# Altium PCB MB1605.PcbDoc (part 7 of 11) (continued)
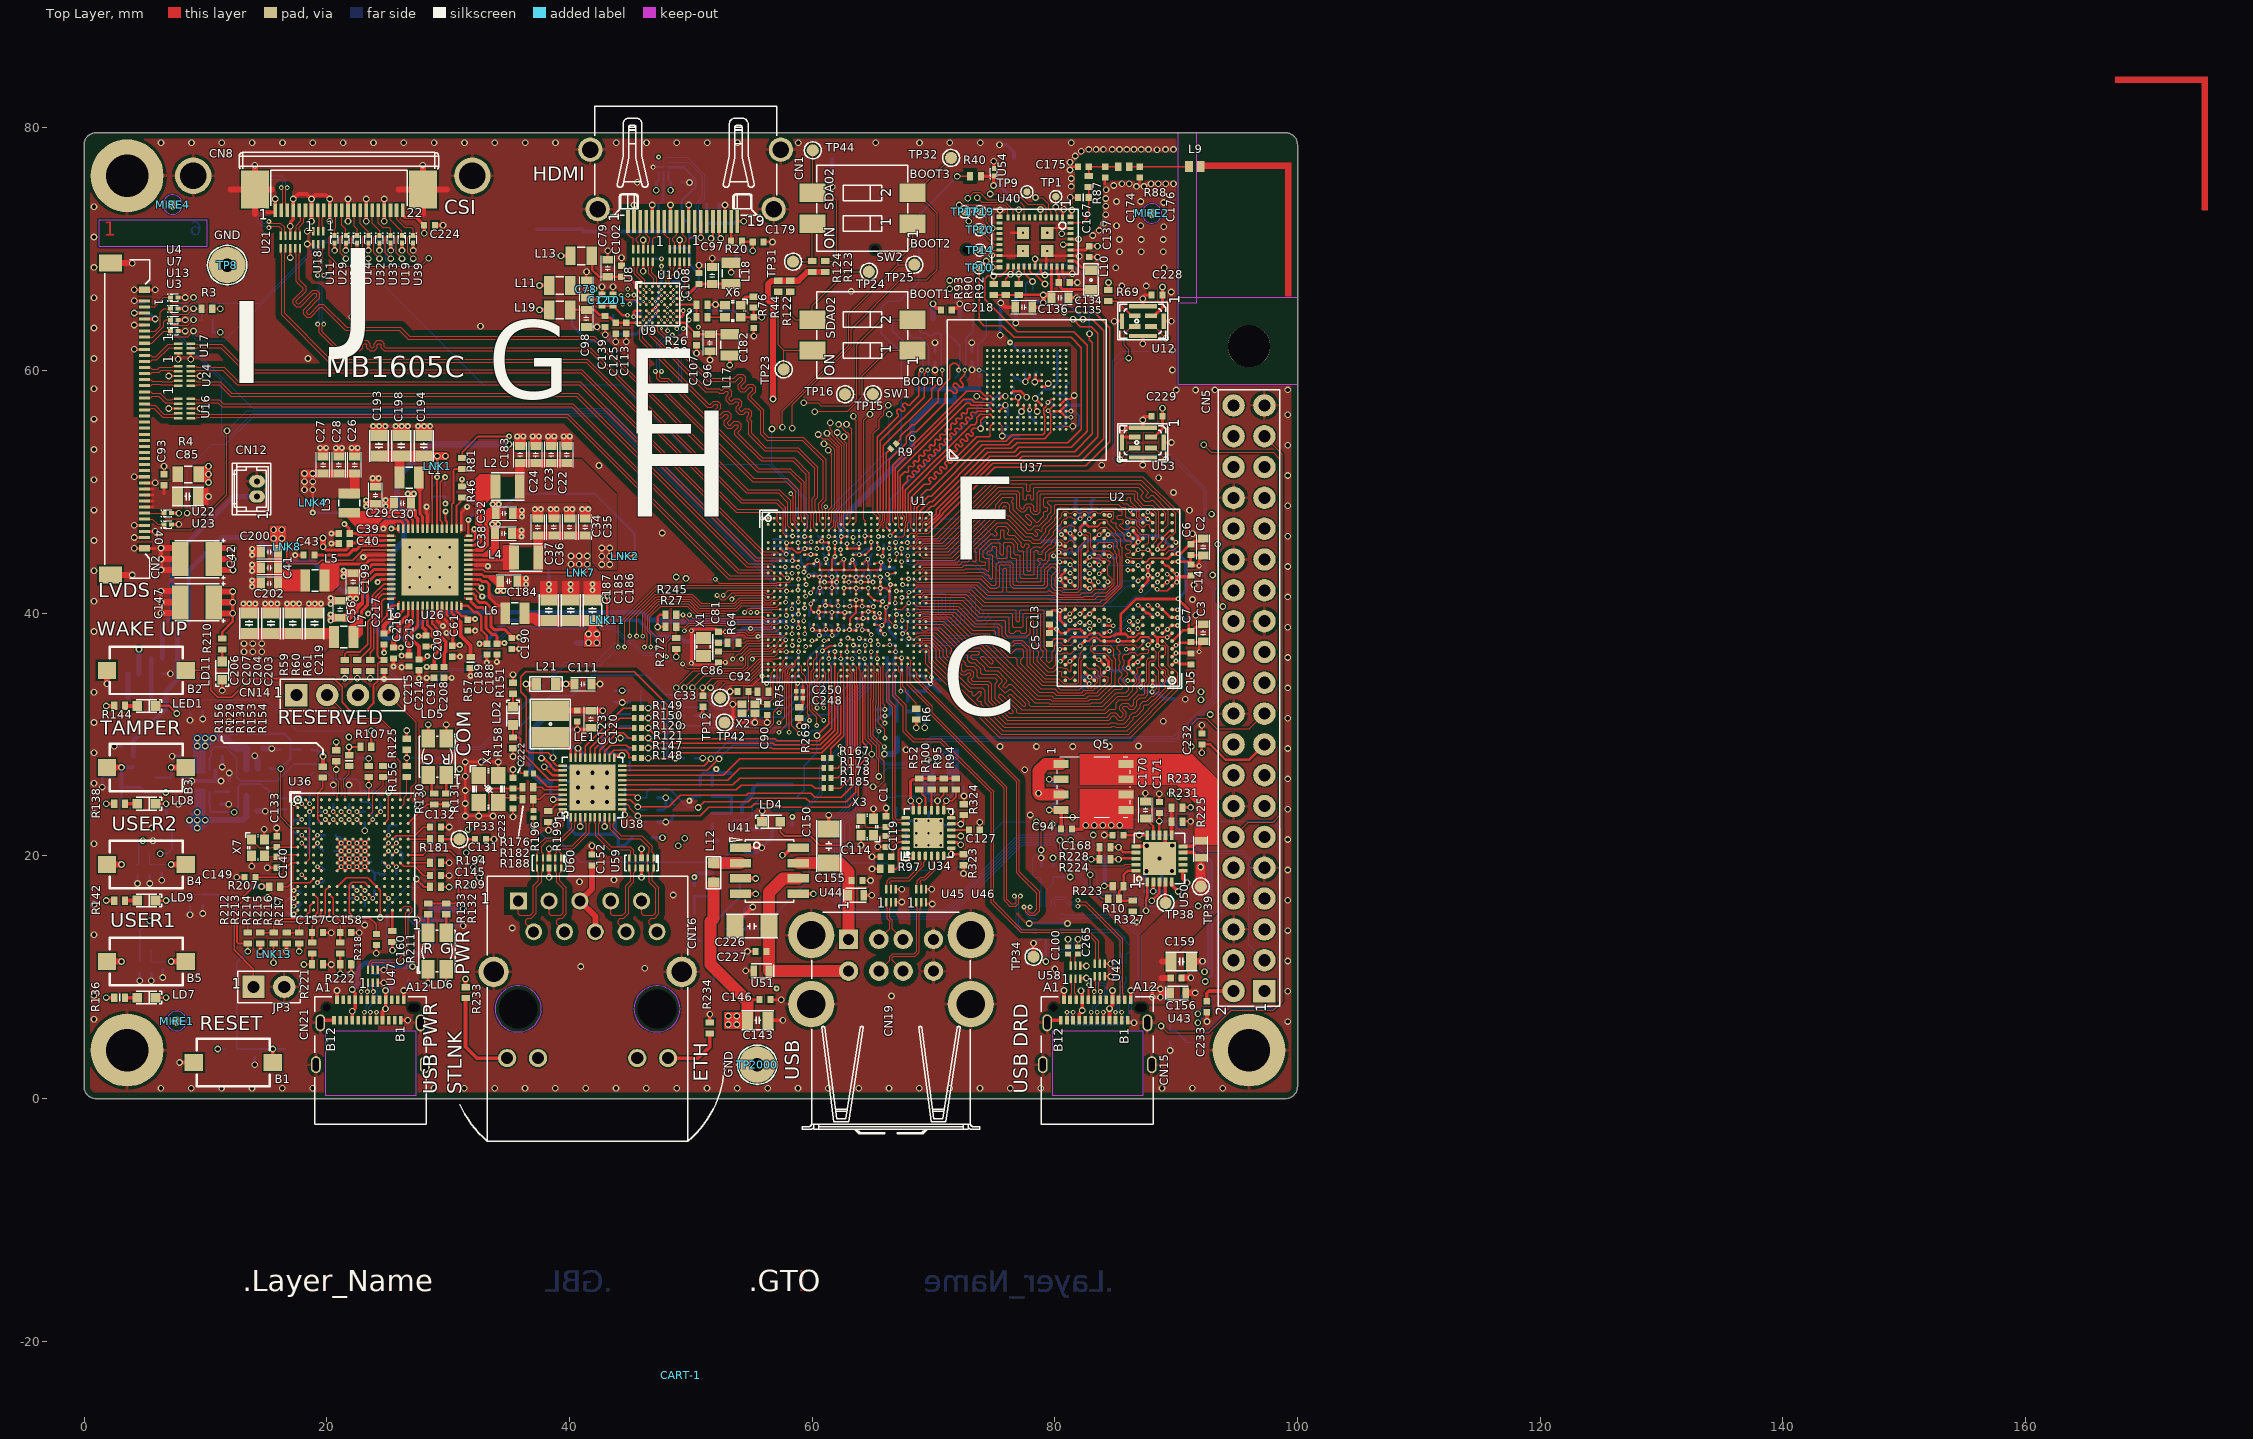
[diagram p0: Top Layer view]
## Nets (pads, with @x,y where several pads share a name; then routed paths per layer and width w, separated by ;. In a path a pad name is that pad's centre, name@x,y a point inside that pad or via, vN(x,y) a via of type N, cw(c..) or ccw(c..) an arc to the next point about the centre after c; other vN are vias at no path point) (continued)
  Top Layer w0.25: v1(4.135,45.35) CN2.43@5,45.35 5.865,45.35 ; v1(4.135,46.25) CN2.40@5,46.25 ; v1(4.135,47.25) CN2.38@5,47.25 ; v1(4.135,51.25) CN2.30@5,51.25 ; v1(4.135,61.75) CN2.9@5,61.75 ; v1(4.135,63.75) CN2.5@5,63.75 ; v1(4.135,65.75) CN2.1@5,65.75 ; v1(4.135,66.65) CN2.42@5,66.65 v1(5.865,66.65) ; CN2.39@5,46.75 v1(5.865,46.75) ; CN2.31@5,50.75 v1(5.865,50.75) ; U23.2@7.221,47.325 v1(7.819,47.325) ; U22.2@7.221,48.25 v1(7.819,48.25) ; U3.2@7.742,63.25 U3.2@7.754,63.25 v1(8.339,63.25) ; U13.2@7.742,64.175 v1(8.339,64.175) ; U7.2@7.742,65.1 v1(8.339,65.1) ; U4.2@7.742,66.025 v1(8.339,66.025) ; v1(20.65,69.903) U11.2@20.65,70.501 ; v1(21.575,69.903) U29.2@21.575,70.501 ; v1(22.5,69.903) U31.2@22.5,70.501 ; v4(23.008,44.625) 23.056,44.673 23.257,44.673 23.384,44.8 24.775,44.8 ; v1(23.425,69.903) U14.2@23.425,70.501 ; v4(24.187,42.563) 24.221,42.563 24.459,42.8 24.775,42.8 ; v1(24.35,69.903) U32.2@24.35,70.501 ; v1(25.275,69.903) U33.2@25.275,70.501 ; v1(26.2,69.903) U19.2@26.2,70.501 ; v1(27.125,69.903) U39.2@27.125,70.501 ; v4(28.225,48.775) 28.225,48.214 28.3,48.139 28.3,47.525 ; 32.225,44 32.83,44 ; v4@32.757,42.1 v4(32.772,42.1) ; v1(38.325,18.245) U60.8@38.325,19.012 ; U60.3@38.325,19.832 v1(38.325,20.599) ; C152.1@41.865,20.109 v1(41.865,20.85) ; CN1.2@45.326,72.3 v1(45.326,73.65) ; v1(45.945,18.245) U59.8@45.945,19.012 ; U59.3@45.945,19.832 v1(45.945,20.599) ; CN1.5@46.826,72.3 v1(46.826,73.65) ; CN1.8@48.326,72.3 v1(48.326,73.65) ; CN1.11@49.826,72.3 v1(49.826,73.65) ; CN1.17@52.826,72.3 v1(52.826,73.65) ; v2(52.85,35.95) C86.2@52.285,35.95 52.26,35.95 52.061,35.75 50.196,35.75 v2(50.05,35.897) v2(50.05,38.554) 50.196,38.7 52.06,38.7 C81.2@52.285,38.475 v2(52.85,38.475) ; v1(53.242,33.546) C92.2@53.859,33.546 ; X2.2@54.234,32.51 v1(53.467,32.51) 53.467,31.513 53.987,30.993 v1(55.284,30.993) X2.4@55.284,31.76 ; v1(56.293,30.993) C90.1@56.293,31.61 ; v1(68.584,30.569) R6.2@68.584,31.233 ; U54.2@74.975,76.65 v1(74.975,77.248) ; C135.1@81.128,66 81.13,66.003 v1(81.798,66.003) ; C134.1@81.23,67.262 v1(81.859,67.262) ; C137.1@82.84,69.35 v1(83.52,69.35) ; v1(84.896,64.07) U12.5@85.525,64.07 ; v1(85.538,55.295) U53.5@87.25,55.295 v1(87.25,55.924) ; U53.5@85.621,54.52 U53.2@86.575,54.52 ; v1(87.25,52.216) U53.5@87.25,52.845 ; v1(87.25,62.216) U12.5@87.25,62.845 ; U12.5@87.25,65.295 v1(87.25,65.924) ; 87.346,56.231 C229.2@87.975,56.231 ; 87.346,66.231 C228.2@87.975,66.231 ; U53.5@88.975,54.07 v1(89.604,54.07) ; U12.5@88.975,64.07 v1(89.604,64.07)
  Top Layer w0.3: v1(6.347,40.012) v1(6.347,40.912) v1(6.347,41.812) ; v1(6.347,43.574) v1(6.347,44.474) v1(6.347,45.374) ; v1(7.877,2.979) B1.2@9.049,2.979 ; C85.1@9.414,49.625 v1(10.264,49.625) ; v1(12.586,18.239) C149.1@13.231,18.239 ; v1(14.54,12.137) R213.2@14.54,12.782 ; 15.055,73.058 15.75,73.058 CN8.1@15.75,73.222 v1(15.75,74.139) ; v1(16.69,12.137) R215.2@16.69,12.782 ; v1(17,71.892) 17.045,71.937 17.045,72.272 17.25,72.477 CN8.4@17.25,73.222 v1(17.25,74.139) 17.655,74.544 18.345,74.544 v1(18.75,74.139) ; v4(17.395,44.79) C43.1@18.055,44.79 ; v1(18.75,72.305) CN8.7@18.75,73.222 v1(18.75,74.139) ; CN21.SH1@19.47,6.25 19.68,6.46 CN21.B12@20.6,6.46 ; v1(20.25,72.305) v1(20.25,74.139) 19.92,74.469 19.08,74.469 v1(18.75,74.139) ; v4(20.385,45.75) C40.1@20.995,45.75 ; v4(20.385,46.575) C39.1@20.995,46.575 ; CN21.A1@20.85,8.16 v1(20.85,8.913) ; v1(21.75,72.305) CN8.13@21.75,73.222 v1(21.75,74.139) ; v1(23.25,72.305) CN8.16@23.25,73.222 v1(23.25,74.139) ; v4@24.725,36.81 C217.2@24.725,37.42 ; v4(24.727,34.58) C219.1@24.727,35.185 ; v1(24.75,72.305) CN8.19@24.75,73.222 v1(24.75,74.139) ; v4(25.5,35.61) C216.1@25.5,36.215 ; CN21.B1@26.1,6.46 CN21.B1@26.1,6.46 26.669,6.458 v1(26.671,6.456) ; v4(26.165,35.55) C215.2@26.775,35.55 ; CN21.A12@26.35,8.16 v1(26.35,8.913) ; v4@27.6,34.69 C214.2@27.6,35.3 ; C213.1@28.175,37.27 v4(28.785,37.27) ; v4(28.24,34.68) C91.2@28.85,34.68 ; C208.2@29.675,34.68 v4(30.285,34.68) ; C209.1@30.35,36.42 v4(30.985,36.42) ; C61.1@31.625,38.57 v4(32.235,38.57) ; v4(31.85,34.84) R57.1@31.85,35.5 ; v4(33.2,35.93) C189.1@33.2,36.59 ; v4(34.025,35.99) C188.1@34.025,36.59 C188.1@34.025,36.65 ; C190.2@35.25,37.065 v4(35.86,37.065) ; C123.1@40.65,31.075 v1(40.65,30.4) 41.6,30.4 C120.1@41.775,30.575 ; v1(50.979,31.565) 51,31.586 C33.1@51,32.3 ; R234.1@51.575,6.275 v1(51.575,6.95) ; C226.1@53.645,14.225 53.645,14.415 54.195,14.965 54.275,14.965 v1(55.103,15.792) ; U41.1@54.104,20.683 55.841,20.683 v1(55.843,20.681) ; v1(54.525,10.535) U51.2@55.195,10.535 ; LD4.2@55.876,22.826 55.876,23.714 v1(55.887,23.725) ; C143.1@56.37,6.456 v1(57.59,6.456) ; C150.1@61.375,22.222 v1(61.375,23.367) ; U44.2@64.25,16.76 v1(64.92,16.76) ; C218.1@71.51,64.99 71.51,65.015 71.615,65.12 71.859,65.12 72.112,65.373 72.112,65.463 v1(72.16,65.511) ; v1(75.54,65.576) 75.886,65.231 C136.1@76.732,65.231 ; TP34.1@78.243,11.686 v1(78.243,12.811) ; CN15.SH1@79.37,6.25 79.58,6.46 CN15.B12@80.5,6.46 ; v2(80.41,44.23) v2@80.425,44.215 ; CN15.A1@80.75,8.16 v1(80.75,8.913) ; v2(81.271,46.589) 81.271,46.562 81.66,46.173 U2.W11@81.66,46.165 ; CN15.B1@86,6.46 86,6.298 86.475,6.298 v1(86.522,6.25) ; CN15.A12@86.25,8.16 v1(86.25,8.913) ; U50.16@86.688,20.798 87.538,20.798 v1(87.575,20.835) ; v1(88.625,19.785) 89.113,20.273 U50.12@89.113,21.723 ; v1(92.536,6.357) C233.1@92.536,7.133
  Top Layer w0.4: C224.1@28.925,71.975 v1@29.575,71.975
  Top Layer w0.5: v1(1.886,34.182) B2.1@1.886,35.3 ; CN2.44@2.63,43.15 v1(3.982,43.15) ; CN2.41@2.63,68.85 v1(3.982,68.85) ; v1@6.353,40.006 C147.2@7.936,40.006 ; v1@6.353,40.906 C147.2@7.936,40.906 ; v1@6.353,41.818 C147.2@7.936,41.818 ; v1@6.353,43.568 C42.2@7.936,43.568 ; v1@6.353,44.468 C42.2@7.936,44.468 ; v1@6.353,45.38 C42.2@7.936,45.38 ; 12.074,74.922 CN8.S1@14.08,74.922 ; v1@14.079,76.912 14.072,76.905 14.08,76.897 CN8.S1@14.08,74.922 ; 14.08,72.916 CN8.S1@14.08,74.922 ; 15.468,74.922 CN8.S1@14.08,74.922 ; 25.914,74.922 CN8.S2@27.92,74.922 ; 27.92,72.916 CN8.S2@27.92,74.922 ; v1(27.92,76.932) CN8.S2@27.92,74.922 ; 29.926,74.922 CN8.S2@27.92,74.922
  Top Layer w0.55: C156.1@90.437,9.965 v1(91.212,9.965) ; U43.2@90.763,8.715 v1(91.562,8.715) ; C159.1@91.262,11.315 v1(92.163,11.315)
  Bottom Layer w0.1: C8.2@83.458,45.395 83.458,45.443 C8.2@83.46,45.445
  Bottom Layer w0.15: v2(46.897,76.769) U20.C2@47.364,76.769 U20.B2@47.764,76.769 ; v3(59.931,45.892) 59.935,45.896 C205.1@59.935,46.38 ; C57.1@62.592,39.603 62.683,39.694 62.683,40.058 v3(62.7,40.075) 63.066,40.075 63.154,39.987 C60.1@63.154,39.672 ; C55.1@62.6,41.6 62.6,42.05 v3(62.625,42.075) ; v3(62.875,45.725) 62.875,46.219 62.95,46.294 C195.1@62.95,46.787 63.379,46.787 63.429,46.837 C239.1@63.85,46.837 ; 63.134,40.036 C59.1@63.714,40.036 64.111,40.036 64.198,39.949 v3(64.198,39.575) ; C52.1@63.162,41.607 63.162,41.944 63.293,42.075 v3(63.625,42.075) 63.844,41.856 C53.1@64.083,41.856 ; C67.1@63.4,45.5 63.586,45.686 63.807,45.686 v3@63.859,45.738 ; v3(63.85,45.725) 64.278,45.725 C69.1@64.305,45.752 ; v3@63.85,45.775 C239.1@63.85,46.787 ; C58.1@64.607,39.247 64.607,40.125 v3(64.625,40.143) ; v3(64.625,42.075) 64.706,41.994 C54.1@64.706,41.579 ; C82.1@65.352,41.053 65.433,40.972 v3(65.806,40.972)
  Bottom Layer w0.2: C163.1@2.183,25.673 v1(1.508,25.673) 1.508,26.443 1.691,26.627 U28.2@2.458,26.627 ; v1(2.481,29.032) C87.1@3.156,29.032 ; v1(4.406,17.725) C161.1@4.406,18.4 ; v1(4.592,9.713) C162.1@4.592,10.388 ; v1(5.413,17.725) R128.1@5.413,18.4 ; v1(5.532,9.713) R135.1@5.532,10.388 ; v1(5.588,22.302) Q3.2@6.263,22.302 ; v1(5.688,21.252) R137.1@6.363,21.252 ; v1(6.413,18) U25.2@6.413,18.675 ; C88.1@6.442,35.008 v1(7.117,35.008) ; v1(6.493,9.988) U27.2@6.493,10.663 ; R140.2@8.077,26.441 8.622,26.441 v1(8.886,26.177) ; v1(8.736,15.152) Q2.2@8.736,15.827 ; v1(8.736,31.186) Q1.2@8.736,31.861 ; v1(9.786,15.252) R141.1@9.786,15.927 ; v1(9.786,31.286) R143.1@9.786,31.961 ; v1(14.062,2.79) U15.2@14.062,3.465 ; v1(14.935,23.691) 15.774,23.691 15.926,23.844 R229.1@16.69,23.844 ; v1(15.463,28.847) 15.56,28.75 R226.1@16.115,28.75 ; C327.2@16.715,16.307 16.915,16.507 v3(17.29,16.507) ; v3(17.29,17.157) 17.665,17.157 C281.2@17.865,16.957 ; C324.2@17.29,21.975 17.416,21.849 17.744,21.849 17.886,21.707 v3(17.94,21.707) ; v3(19.24,17.807) 19.665,17.807 C299.2@19.815,17.957 ; C289.2@19.24,22.757 19.64,22.757 v3(19.89,23.007) ; C282.2@20.54,25.182 v1(20.54,25.857) ; C298.2@20.615,20.407 v3(21.19,20.407) ; C310.2@20.74,21.707 20.74,21.682 20.895,21.527 21.073,21.527 21.19,21.41 v3(21.19,21.057) ; C326.2@21.79,17.407 21.803,17.394 22.253,17.394 v3(22.49,17.157) ; C297.2@21.84,25.182 v1(21.84,25.857) ; v1(23.14,14.307) C325.2@23.14,14.982 ; v3(23.14,19.107) 23.442,18.805 23.738,18.805 23.945,18.599 ; v3(23.14,19.757) 23.365,19.532 C329.2@23.69,19.532 ; v1(23.14,22.082) C290.2@23.14,22.757 ; C164.2@23.71,10.287 24.375,10.287 v1(24.699,10.611) ; C333.2@23.945,18.057 23.945,18.599 ; C303.2@24.84,18.482 24.393,18.482 24.276,18.599 23.945,18.599 ; v3(25.09,20.407) 25.34,20.157 C328.2@25.34,19.757 ; v3(25.09,21.707) 25.09,22.415 25.207,22.532 C311.2@25.74,22.532 ; C309.1@39.945,24.12 40.37,24.12 v1(40.7,24.45) ; C306.1@40.2,25.05 40.825,25.05 ; C322.1@41.3,23.925 41.3,24.55 ; 41.3,26.725 C296.1@41.3,27.35 ; v1(41.865,20.85) C332.1@42.625,20.85 ; C323.1@42.5,23.925 42.5,24.55 ; 43.613,63.925 R25.2@43.613,64.579 ; 43.65,26.689 C295.1@43.65,27.5 ; C104.1@43.675,32.726 43.751,32.65 v1(44.345,32.65) R305.1@44.969,32.65 ; C317.1@43.75,24.05 43.75,24.675 ; 44.201,28.755 44.206,28.75 R113.1@44.97,28.75 ; v1(44.2,29.72) R292.1@44.97,29.72 ; 44.201,30.688 R293.1@44.97,30.688 ; 44.201,31.67 R304.1@44.97,31.67 ; C314.1@44.575,25 44.575,25.625 ; 44.97,27.016 R303.1@44.97,27.785 ; v2(45.292,64.435) 45.528,64.671 45.787,64.671 R17.1@45.942,64.826 ; v1@45.601,75.504 C180.1@46.252,75.504 ; R16.1@46.374,67.181 47.028,67.181 ; R18.1@46.875,70.103 46.875,70.687 ; C106.2@48.495,67.364 49.079,67.364 ; C80.2@48.595,65.92 49.272,65.92 v2(49.286,65.935) ; C181.1@49.243,75.504 v1@49.893,75.504 ; R23.2@49.887,67.475 49.887,68.058 ; C103.1@50.309,31.565 v1(50.979,31.565) ; C141.1@50.31,28.065 v1(50.979,28.065) ; v2(54.943,40.07) 54.967,40.094 54.967,40.353 55.085,40.47 55.765,40.47 55.926,40.309 C225.1@56.696,40.309 ; v2(55.55,38.085) 55.663,38.198 C234.1@56.064,38.198 56.461,38.198 ; C237.1@56.696,44.88 C236.1@57.345,44.88 ; C192.1@56.8,45.55 C201.1@57.375,45.55 57.825,45.1 57.825,44.912 v3(57.862,44.875) 57.862,44.894 57.881,44.914 57.974,44.914 58.163,45.103 58.163,45.282 C197.1@58.216,45.334 ; C236.1@57.35,44.875 v3(57.862,44.875) ; R250.2@57.744,48.02 57.744,48.67 ; 57.781,35.625 C235.1@58.275,35.625 ; 57.831,36.331 C244.1@58.325,36.331 ; R251.2@58.751,48.02 58.751,48.67 ; C240.1@59.05,44.7 59.05,44.225 59.344,43.931 59.534,43.931 C220.1@59.609,43.856 59.534,43.781 59.534,43.609 v3(59.325,43.4) ; C70.2@59.78,39.785 59.78,40.268 59.884,40.372 v3(59.884,40.766) 60.148,41.03 60.276,41.03 C44.2@60.351,41.105 ; C45.1@60.173,43.895 60.248,43.97 60.248,44.139 60.408,44.299 v3(60.408,44.353) 60.419,44.342 60.54,44.342 60.739,44.143 60.739,44.063 C51.1@60.814,43.988 ; C71.1@60.34,39.635 60.491,39.786 60.491,40.066 v3(60.525,40.1) ; C196.1@60.9,44.925 60.975,44.85 60.975,44.677 61.132,44.52 v3(61.132,44.466) ; C72.1@60.905,39.698 60.956,39.749 60.956,40.021 61.092,40.157 v3(61.092,40.638) ; C46.1@60.915,41.105 60.915,40.815 v3(61.092,40.638) ; v3@61.169,44.408 61.302,44.274 61.302,44.062 C49.1@61.377,43.987 ; C73.2@61.467,39.624 61.542,39.699 61.542,39.952 61.625,40.035 v3(61.625,40.089) ; C47.2@61.476,41.081 61.476,40.694 61.42,40.638 v3(61.092,40.638) ; v3(61.875,44.675) 61.875,44.054 C50.1@61.941,43.988 ; C74.1@62.03,39.683 62.03,39.955 62.15,40.075 v3(62.15,40.625) 62.038,40.737 C48.1@62.038,41.107 ; C63.1@62.506,44.005 62.581,44.08 62.581,44.36 62.622,44.401 v3(62.622,44.455) ; C62.2@63.106,43.628 63.106,44.19 v3(63.328,44.412) 63.366,44.374 63.421,44.374 63.6,44.195 63.6,44.059 C65.2@63.675,43.984 ; C68.1@64.239,43.997 64.314,44.072 64.314,44.284 64.437,44.408 64.548,44.408 v3(64.586,44.446) ; C64.1@64.8,43.996 64.725,44.071 64.725,44.307 v3(64.586,44.446) ; C66.1@64.915,44.871 64.84,44.796 64.84,44.663 64.623,44.446 v3(64.586,44.446) ; v3(65.46,46.325) 65.498,46.287 65.852,46.287 C238.1@65.913,46.226 ; v3(65.806,40.972) 65.844,41.01 65.844,41.178 C75.1@66.083,41.417 ; 66.934,23.294 R102.1@66.934,23.959 ; C116.1@67.757,21.305 67.757,21.921 ; C115.1@68.021,22.888 v2(68.587,22.888) v2@68.637,22.888 ; v2@69.6,22.985 R99.1@69.6,23.65 ; 70.936,22.538 C126.1@71.552,22.538 ; R98.1@72.477,25.712 72.499,25.69 72.499,24.97 v1(72.521,24.948) ; C89.1@72.65,57.5 73.315,57.5 ; C118.1@75.26,56.98 75.425,57.145 v1(75.925,57.145) 76.11,56.96 C148.1@76.11,56.305 ; C9.1@76.615,59.48 76.77,59.325 77.008,59.325 77.208,59.126 77.529,59.126 v1(77.575,59.08) C117.1@77.575,59.864 ; C130.1@77.027,55.505 77.027,56.407 v1(77.25,56.63) ; v1(77.887,14.436) U56.3@78.528,14.436 U56.19@79.468,14.436 U56.12@80.408,14.436 v1(81.049,14.436) ; v1(78.243,12.811) 78.528,13.096 U56.18@78.868,13.096 ; R106.1@78.868,19.165 v1(78.868,19.84) ; v2(81.325,56.655) 81.615,56.655 C128.1@82.015,56.255 82.015,55.592 81.858,55.435 81.505,55.435 v1(81.475,55.405) ; v1(84.599,10.073) U57.3@85.098,10.073 ; v1(84.599,11.123) U57.4@85.098,11.123 ; v1(89.5,3.975) R220.1@89.5,4.65 ; C99.2@90.437,7.329 90.437,8.365 90.787,8.715 v1(91.562,8.715)
  Bottom Layer w0.22: v1(11.922,31.068) C25.1@12.592,31.068 ; v2@82.824,44.755 82.813,44.765 83.29,45.242 83.29,45.3 83.385,45.395 C8.2@83.458,45.395 ; v2@82.858,44.62 82.892,44.654 v2@82.892,44.782 ; v2@84.508,45.528 84.51,45.53 C21.2@85.108,45.53
  Bottom Layer w0.25: v1(26.35,8.913) 26.735,9.298 U48.2@26.735,9.865 ; v1(47.945,22.8) 48.002,22.857 48.312,22.857 48.459,23.004 48.459,23.215 48.589,23.345 C109.1@48.614,23.345 ; v3(65.15,39.65) 65.274,39.526 C76.1@65.274,39.198 ; v3(65.55,40) 65.579,39.971 65.579,39.627 65.725,39.48 66.095,39.48 C77.2@66.1,39.475 66.35,39.225 66.35,38.57 66.82,38.1 66.82,37.985 C252.1@66.87,37.935 ; C246.1@67.925,35.525 C253.1@67.925,34.925 68.975,34.925 v2@69.666,34.234 ; v1(70.125,60.042) U5.8@70.125,60.762 ; U5.3@70.125,61.582 v1(70.125,62.302) ; U6.8@73.154,60.762 73.165,60.752 73.165,60.085 v1(73.175,60.075) ; U6.3@73.154,61.582 v1(73.154,62.302)
  Bottom Layer w0.3: v1(4.135,65.75) 4.23,65.75 4.33,65.65 C84.1@4.979,65.65 ; v1(7.259,28.217) C169.1@7.936,28.217 ; v1(7.791,24.257) C172.1@8.436,24.257 ; v1(8.886,26.177) U52.9@10.086,26.177 U52.9@10.685,26.177 ; U52.8@10.836,27.077 10.836,26.328 U52.9@10.685,26.177 ; v1(11.284,26.177) U52.9@10.685,26.177 ; R239.1@11.286,24.257 v1(11.931,24.257) ; v1(11.386,27.327) R242.2@11.386,28.217 ; C173.1@11.961,26.186 v1(11.961,26.831) ; v1@28.346,9.519 C110.1@28.346,10.463 ; U35.2@28.646,14.7 29.72,14.7 C129.1@30.17,14.25 v1(31.239,14.25) ; v4(38.304,42.401) TP30.1@38.304,43.502 ; R322.1@39.55,27.3 40.375,27.3 ; C280.2@39.825,30.4 v1(40.65,30.4) ; C302.1@39.85,26.125 40.675,26.125 ; 42.575,26.725 C288.1@42.575,27.55 ; R205.2@47.27,22.8 v1(47.945,22.8) ; v4(49.889,24.55) 50.289,24.95 C105.2@50.775,24.95 ; R15.2@51.33,73.025 51.33,73.69 ; C177.1@52.35,73.025 52.35,73.69 ; Q12.2@53.022,12.063 53.096,12.136 v1(54.67,12.136) ; R200.1@54.438,14.887 54.438,15.577 54.653,15.792 v1(55.103,15.792) ; Q11.2@54.5,20.313 55.474,20.313 v1(55.843,20.681) 56.725,21.564 R41.1@56.725,22.2 ; v1(61.65,75.15) 61.65,77.465 CN6.12@61.685,77.5 ; CN6.13@61.785,66.5 63.2,66.5 v1(63.225,66.525) ; R7.2@65.274,31.173 65.369,31.173 65.723,31.527 65.984,31.527 v2(66.003,31.546) 66.023,31.565 66.243,31.565 66.449,31.771 66.449,32.645 66.258,32.836 66.258,34.855 66.2,34.914 C260.1@66.2,35.714 C151.1@66.2,36.324 ; v3@65.694,44.181 65.694,44.168 65.888,43.974 65.888,43.723 C83.1@65.913,43.698 66.723,43.698 R1.1@66.75,43.725 ; C251.1@68.44,33.588 69.159,33.588 ; 69.3,33.641 69.3,33.546 69.258,33.588 69.159,33.588 ; v2@69.749,34.09 v2@69.749,34.178 ; R5.1@70.555,33.546 70.46,33.546 69.828,34.178 69.787,34.178 v2(69.768,34.197) v2@69.749,34.178 ; CN6.6@72.16,64.35 v1(72.16,65.511) ; v1(75.435,78.6) 76.035,78.6 76.635,78 CN6.11@76.635,77.5 ; v1(75.5,62.9) 75.51,62.91 CN6.9@75.51,64.175 75.51,64.35 75.525,64.365 75.525,65.561 v1(75.54,65.576) ; v1(76.775,63.925) 76.775,65.99 CN6.14@76.785,66 ; 77.63,12.039 C31.2@78.368,12.039 ; R42.1@78.984,45.96 80.086,45.96 80.286,45.759 v2@80.313,45.759 ; v2@81.24,46.526 81.278,46.564 C12.2@81.278,47.154 ; 81.279,46.373 81.298,46.354 81.298,46.157 81.603,45.852 C4.2@81.628,45.852 ; C12.2@81.309,47.185 C12.2@81.278,47.154 ; C10.1@81.784,49.42 81.708,49.343 81.708,48.72 82.024,48.404 C16.2@82.024,48.379 ; C16.2@81.983,48.42 C16.2@82.024,48.379 ; v2@82.083,47.795 82.083,48.32 C16.2@82.024,48.379 ; v2(82.085,47.79) 82.066,47.77 81.87,47.77 81.278,47.179 C12.2@81.278,47.154 ; C19.2@82.259,33.81 82.284,33.81 82.389,33.915 82.389,33.967 82.565,34.143 82.74,34.143 82.797,34.2 v2(82.83,34.2) ; v2(86.21,48.489) 86.213,48.492 87.031,48.492 C17.2@87.034,48.495 ; C334.2@87.413,17.997 87.413,18.598 v1(87.55,18.735) ; v2@88.058,33.995 88.092,34.03 88.667,34.03 88.733,34.095 88.758,34.095 89.008,34.345 C11.1@89.833,34.345 ; C335.2@88.813,17.997 88.813,18.735 ; v2@90.059,39.645 90.108,39.645 90.142,39.611 90.617,39.611 C20.2@90.758,39.47 ; 69.159,33.588 v2@69.749,34.178
  Bottom Layer w0.5: v1(14.062,28.25) 14.062,28.236 14.281,28.017 14.281,27.243 U49.2@14.331,27.193 ; C166.1@14.29,23.691 v1(14.935,23.691) ; C165.1@14.763,28.847 v1(15.463,28.847)
  Bottom Layer w0.6: v1(27.467,14.747) 27.514,14.7 U35.2@28.646,14.7
  other v1: 6.336,0.85 8.836,0.85 11.336,0.85 13.836,0.85 16.336,0.85 18.836,0.85 28.836,0.85 31.336,0.85 33.836,0.85 36.336,0.85 38.836,0.85 41.336,0.85 43.836,0.85 46.336,0.85 48.836,0.85 51.336,0.85 53.836,0.85 56.336,0.85 58.836,0.85 61.336,0.85 63.836,0.85 66.336,0.85 68.836,0.85 71.336,0.85 73.836,0.85 76.336,0.85 78.836,0.85 88.836,0.85 91.336,0.85 93.836,0.85 99.2,6.35 0.825,6.55 66.546,8.463 0.825,8.5 99.2,8.85 80.003,10.689 46.217,10.747 40.926,10.891 99.2,11.35 0.825,13.5 99.2,13.85 35.29,14.067 0.825,16 99.2,16.35 48.554,16.79 40.825,17.867 43.675,18.033 89.65,18.76 99.2,18.85 89.675,20.86 0.825,21 99.2,21.35 77.975,23.375 0.825,23.5 99.2,23.85 41.9,24.45 43.1,24.45 40.7,25.65 41.9,25.65 43.1,25.65 0.825,26 99.2,26.35 40.7,26.85 41.9,26.85 43.1,26.85 77.524,27.113 0.825,28.5 67.73,28.759 99.2,28.85 75.479,29.025 78.479,29.025 81.479,29.025 84.479,29.025 86.895,29.055 0.825,31 88.932,31.104 99.2,31.35 90.755,32.906 0.825,33.5 99.2,33.85 91.285,34.865 99.2,36.35 0.825,38.5 99.2,38.85 91.617,39.829 0.825,41 91.339,41.128 99.2,41.35 91.467,42.332 0.825,43.5 99.2,43.85 0.825,46 99.2,46.35 91.339,46.544 47.642,46.608 0.825,48.5 91.101,48.492 99.2,48.85 89.772,49.948 0.825,51 88.551,51.167 99.2,51.35 42.433,52.177 83.87,52.208 0.825,53.5 99.2,53.85 0.825,56 99.2,56.35 90.012,58.404 91.6,58.405 93.188,58.406 99.2,58.406 0.825,58.5 89.687,60.041 0.825,61 18.454,61 50.476,61.437 89.674,61.665 43.82,62.379 44.68,62.379 55.201,62.839 42.948,62.943 0.825,63.5 32.673,63.658 22.05,64.434 52.031,65.44 0.825,66 89.6,66.475 42.684,66.912 43.584,66.912 85.525,66.975 87.525,66.975 85.025,68.475 89.025,68.475 0.825,68.5 50.671,68.688 44.295,69.292 85.325,69.8 87.125,69.8 88.925,69.8 85.325,70.8 87.125,70.8 88.925,70.8 0.825,71 83.125,71.125 83.65,71.55 88.975,71.85 85.075,71.925 87.075,71.925 29.58,71.98 84.025,72.125 84.2,72.85 0.825,73.5 84.2,73.55 88.975,73.85 85.075,73.925 87.075,73.925 84.2,74.175 81.275,74.275 84.225,74.9 81.35,75.175 86.725,75.175 87.35,75.175 84.85,75.25 85.525,75.4 86.125,75.4 87.925,75.4 88.525,75.4 89.15,75.4 89.775,75.4 49.898,75.499 45.596,75.509 81.35,75.825 81.25,76.525 14.062,76.928 81.25,77.175 81.675,77.675 82.175,78.075 88.425,78.2 82.8,78.225 83.4,78.225 84,78.225 84.725,78.225 85.325,78.225 85.925,78.225 86.525,78.225 87.125,78.225 87.725,78.225 89.125,78.225 89.775,78.225 6.35,78.775 8.85,78.775 11.35,78.775 13.85,78.775 16.35,78.775 18.85,78.775 21.35,78.775 23.85,78.775 26.35,78.775 28.85,78.775 31.35,78.775 33.85,78.775 36.35,78.775 38.85,78.775 43.85,78.775 46.35,78.775 48.85,78.775 51.35,78.775 53.85,78.775 58.85,78.775 65.234,78.775 68.85,78.775 71.35,78.775 73.85,78.775 81.35,78.775
  other v2: 68.587,20.888 69.587,20.888 70.587,20.888 68.587,21.888 69.587,21.888 70.587,21.888 69.587,22.888 70.587,22.888 88.06,34.015 89.985,36.065 84.485,36.89 85.885,37.04 88.46,37.34 89.985,37.365 89.26,38.015 84.535,38.515 90.11,39.64 82.86,39.94 81.235,39.945 86.86,40.665 88.46,40.665 81.26,42.625 89.26,43.215 90.16,44.265 82.86,44.615 88.46,45.265
  other v4: 27.6,34.64 24.725,36.76 20.325,40.75 13.124,40.798 13.625,40.798 14.126,40.798 14.924,40.798 15.425,40.798 15.926,40.798 16.724,40.798 17.225,40.798 17.726,40.798 18.524,40.798 19.025,40.798 19.526,40.798 21.924,41.202 22.425,41.202 20.325,41.25 38.304,41.9 40.104,41.9 41.904,41.9 26.85,42.15 28.5,42.15 30.15,42.15 13.85,42.2 36.42,42.375 40.104,42.401 41.904,42.401 13.85,42.7 36.42,42.875 27.675,42.975 29.325,42.975 13.85,43.5 26.85,43.8 28.5,43.8 30.15,43.8 33.28,43.875 13.85,44 27.675,44.625 29.325,44.625 13.85,44.8 13.85,45.3 26.85,45.45 28.5,45.45 30.15,45.45 36.05,46.325 36.05,46.825 36.075,47.975 36.075,48.475 37.15,48.575 37.65,48.575 38.45,48.575 38.95,48.575 39.75,48.575 40.25,48.575 41.05,48.575 41.55,48.575 24.85,48.823 24.85,49.323 23.775,51.123 24.276,51.123 19.45,53.623 19.951,53.623 20.75,53.623 21.251,53.623 22.05,53.623 22.551,53.623 35.7,54.575 36.2,54.575 36.975,54.575 37.475,54.575 38.25,54.575 38.75,54.575 39.525,54.575 40.025,54.575 23.824,55.425 24.325,55.425 24.826,55.425 25.674,55.425 26.175,55.425 26.676,55.425 27.524,55.425 28.025,55.425 28.526,55.425
HDMI.INT: R13.2 U1.B15 U9.D5 | length 35.3
  Top Layer w0.09: U1.B15@63.375,47.325 63.65,47.6 63.65,48.575
  Top Layer w0.097: 63.65,48.575 63.65,48.681
  Top Layer w0.1: v1(63.4,56.225) 63.4,56.106 63.65,55.856 63.65,48.681
  Top Layer w0.13: U9.D5@47.836,65.435 v5(48.086,65.185)
  Signal Layer 1 w0.1: v5(48.086,65.185) 49.13,65.185 49.235,65.29 49.546,65.29 v2(49.889,64.947)
  Signal Layer 2 w0.1: v2(49.889,64.947) 49.546,65.29 48.769,65.29 47.267,63.787 47.267,62.78 50.702,59.345 58.979,59.345 61.286,57.038 61.671,56.653 62.972,56.653 v1(63.4,56.225)
  Bottom Layer w0.2: v2(49.889,64.947) R13.2@50.476,64.947